# Altium PCB Fri3d_2020_Time_Blaster_00.PcbDoc (part 1 of 2)
Units mm, origin at the board's own origin, x right, y up, seen from the top; angles counter-clockwise.
Board outline 163.52 x 127.05 mm, 2 copper layers (Top Layer, Bottom Layer), stack 1.571 mm thick; 69 components, 56 nets, 239 pads, 21 vias.
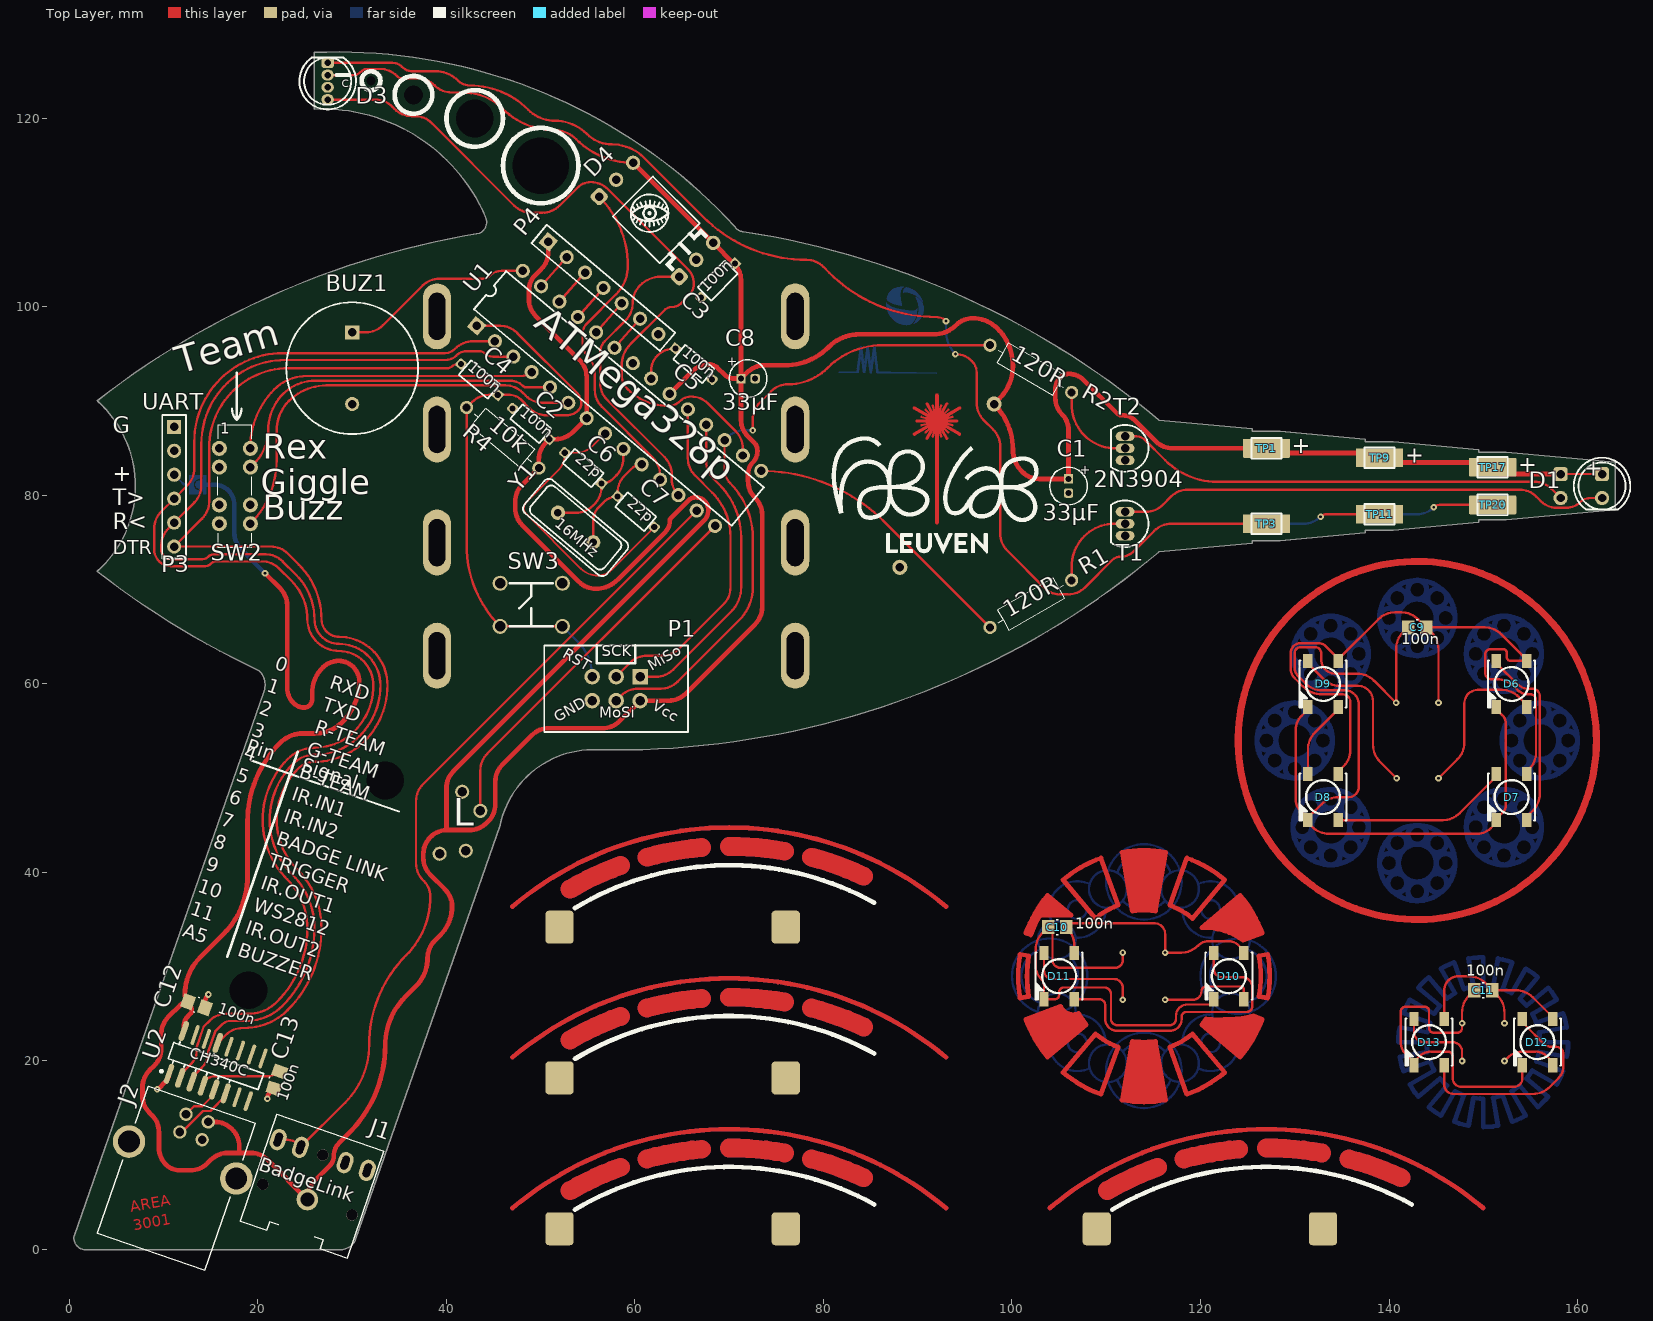
[diagram p0: Top Layer view]
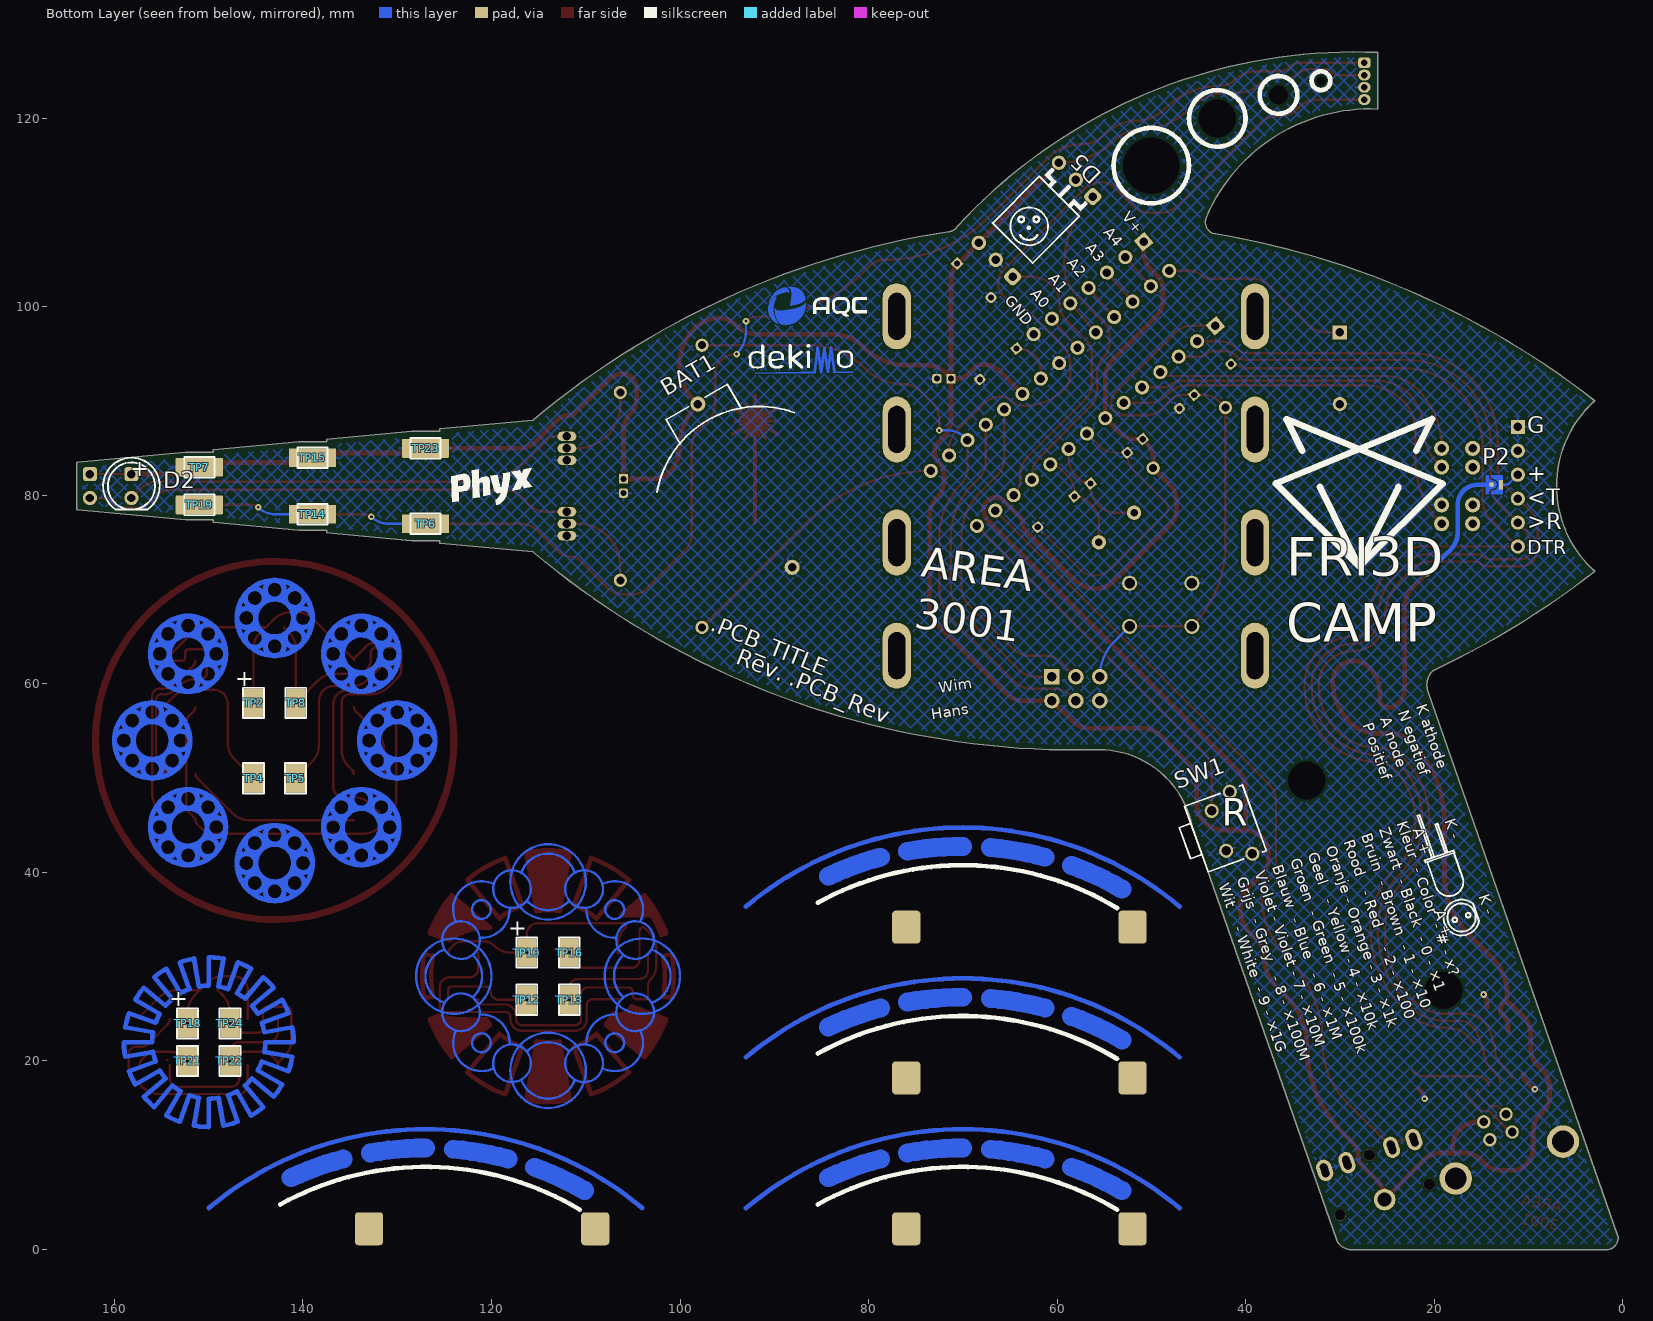
[diagram p1: Bottom Layer view, seen from below]

## Layer stack, top to bottom
Top Solder: solder mask 0.0102, Solder Resist, Dk 3.5
Top Layer: signal copper 0.0356
Dielectric1: core 1.5, FR-4, Dk 4.8
Bottom Layer: signal copper 0.0356
Bottom Solder: solder mask 0.0102, Solder Resist, Dk 3.5

## Board outline
1.5,0 cw(c1.717,1.217) 0.5,1.435 20.6,59.113 ccw(c18.659,59.911) 20.122,61.416 cw(c58,142.446) 2.955,71.943 2.947,71.952 ccw(c-5.125,81) 3,90 2.955,90.057 cw(c58,19.554) 43.513,107.819 ccw(c42.957,109.004) 44.142,109.561 ccw(c26.772,102.118) 26,121 26,127 cw(c28.469,69.899) 70.566,108.558 ccw(c71.618,109.205) 71.496,107.976 cw(c58,19.554) 115.534,88.041 115.574,87.993 125.5,87.072 125.5,86.8 128.433,86.8 137.5,85.959 137.5,85.687 140.433,85.687 149.5,84.845 149.5,84.573 152.433,84.573 164,83.5 164,78.5 152.433,77.427 149.5,77.427 149.5,77.155 140.433,76.313 137.5,76.313 137.5,76.041 128.433,75.2 125.5,75.2 125.5,74.928 115.574,74.007 115.534,73.959 cw(c58,142.446) 56.001,53.022 ccw(c55.575,42.931) 45.7,45.052 30.348,1 cw(c28.756,1.739) 29,0

## Design rules (kind name [scope] priority, off if disabled: settings)
BoardOutlineClearance [NOT OnLayer('Top Overlay') AND NOT OnLayer('Bottom Overlay') AND NOT IsText AND NOT WithinRoom('Fri3d_2020_Time_Blaster_00')] p1: gap=0.5 ignorepadtopadclearanceinfootprint=FALSE except(0: Arc-SplitContinuation Track-SplitContinuation SMDPad-SplitContinuation THPad-SplitContinuation Via-SplitContinuation Fill-SplitContinuation Poly-SplitContinuation Region-SplitContinuation Text-SplitContinuation; 0.3: SMDPad-OutlineEdge; 0.4: THPad-OutlineEdge)
Clearance [All] p1: gap=0.15 ignorepadtopadclearanceinfootprint=FALSE except(0: Arc-Hole Track-Hole SMDPad-Hole THPad-Hole Via-Hole Fill-Hole Poly-Hole Region-Hole Text-Hole; 0.25: Arc-Poly Track-Poly SMDPad-Poly THPad-Poly Via-Poly Fill-Poly; 1.1: Poly-Poly)
ComponentClearance ComponentClearance_TP [HasFootprint('TP_2x3mm')] p1: gap=0 collisioncheckmode=3 verticalgap=0 showdistances=FALSE
ComponentClearance [All] p2: gap=0.25 collisioncheckmode=3 verticalgap=0.25 showdistances=FALSE
HoleSize [All] p1: absolutevalues=TRUE maxlimit=10 minlimit=0.025 maxpercent=80.000 minpercent=20.000
PolygonConnect PolygonConnect_VIA [IsVia] p1: connectstyle=Direct reliefconductorwidth=0.254 reliefentries=4 polygonreliefangle="90 Angle" airgapwidth=0.254
PolygonConnect [All] p2: connectstyle=Relief reliefconductorwidth=0.254 reliefentries=4 polygonreliefangle="90 Angle" airgapwidth=0.254
RoomDefinition Fri3d_2020_Time_Blaster_00 [InComponentClass('Outside Board Components')] p1: confinementstyle=ConfineIn formatcopy=TRUE lockcomponents=FALSE outline 164,0 42.14,0 42.14,33 43.594,33 43.594,38 47.095,38 47.095,46.537 121.4,46.537 121.4,73 136,73 136,75.09 164,75.09
RoutingVias [All] p1: holewidth=0.3 width=0.7 viastyle="Through Hole" minholewidth=0.3 minwidth=0.2 maxholewidth=0.6 maxwidth=1.2
SilkToSolderMaskClearance SilkscreenOverComponentPads [IsPad] p1: minsilkscreentomaskgap=0.254 clearancetoexposedcopper=TRUE
SolderMaskExpansion [All] p1: expansion=0.05
Width [All] p1: maxlimit=5 minlimit=0.15 preferedwidth=0.25
27 further rules are at their usual default settings.

## Classes and differential pairs
net class POWER: G_B G_M G_S GND V_B V_M V_S VCC

## Components (designator, comment, footprint, x,y, rotation, side; value= is the part's Value field where it differs from the comment)
BAT1 "CR2032 Battery Holder" BAT_CR2032_China 94.6,83.638 r60 bottom value=CR2032
BUZ1 "14x14x7mm Piezo Buzzer Transducer 80dB" CUI_CEP-1162 30,93.5 r270 top value=CMT-1203-SMT
C1 "CAP_POL" C_4x7_1.5mm 106,81 r270 top locked value="33uF 16V"
C2 "CAP_CERAMIC" C_5.08mm 48.968,87.6 r140 top value="100nF 50V"
C3 "CAP_CERAMIC" C_5.08mm 68.8,102.8 r225 top value="100nF 50V"
C4 "CAP_CERAMIC" C_5.08mm 43.5,92.3 r140 top value="100nF 50V"
C5 "CAP_CERAMIC" C_5.08mm 66.246,93.95 r320 top value="100nF 50V"
C6 "CAP_CERAMIC" C_5.08mm 54.5,82.9 r140 top value="22pF 50V"
C7 "CAP_CERAMIC" C_5.08mm 60.1,78.27 r320 top value="22pF 50V"
C8 "CAP_POL" C_4x7_1.5mm 72,92.402 r0 top value="33uF 16V"
C9 "CAP_CERAMIC" C0805_N 143,66 r180 top value="100nF 16V"
C10 "CAP_CERAMIC" C0805_N 104.8,34.2 r180 top value="100nF 16V"
C11 "CAP_CERAMIC" C0805_N 150,27.5 r180 top value="100nF 16V"
C12 "CAP_CERAMIC" C0805_N 13.477,25.968 r341 top value="100nF 16V"
C13 "CAP_CERAMIC" C0805_N 22,18 r251 top value="100nF 16V"
D1 "5mm IR LED, 940nm, 100mA, 1.35V, 25Deg" LED_5MM_RD 162.6,81 r270 top value=TSAL6400
D2 "5mm IR LED, 940nm, 100mA, 1.35V, 25Deg" LED_5MM_RD 158.2,81 r270 bottom value=TSAL6400
D3 "WS2812 based digital RGB LED 5mm" LED_5mm_RGB 27.4,123.95 r90 top value=WS2812D-F5
D4 "IRM-3638N3F14 Infrared Receiver 38 kHz 45° 2.7-5.5V" VIS_TSOP381X_BENT 66.5,105 r45 top value=IRM-3638N3F14
D5 "IRM-3638N3F14 Infrared Receiver 38 kHz 45° 2.7-5.5V" VIS_TSOP381X_BENT 58,113.5 r45 bottom value=IRM-3638N3F14
D6 "WS2812 based digital RGB LED 5050 Black package" LED_5050_WS2812B_BLACK 153,60 r270 top value="WS218B 5050 BL"
D7 "WS2812 based digital RGB LED 5050 Black package" LED_5050_WS2812B_BLACK 153,48 r270 top value="WS218B 5050 BL"
D8 "WS2812 based digital RGB LED 5050 Black package" LED_5050_WS2812B_BLACK 133,48 r270 top value="WS218B 5050 BL"
D9 "WS2812 based digital RGB LED 5050 Black package" LED_5050_WS2812B_BLACK 133,60 r270 top value="WS218B 5050 BL"
D10 "WS2812 based digital RGB LED 5050 Black package" LED_5050_WS2812B_BLACK 123,29 r270 top value="WS218B 5050 BL"
D11 "WS2812 based digital RGB LED 5050 Black package" LED_5050_WS2812B_BLACK 105,29 r270 top value="WS218B 5050 BL"
D12 "WS2812 based digital RGB LED 5050 Black package" LED_5050_WS2812B_BLACK 155.75,22 r270 top value="WS218B 5050 BL"
D13 "WS2812 based digital RGB LED 5050 Black package" LED_5050_WS2812B_BLACK 144.25,22 r270 top value="WS218B 5050 BL"
J1 "3.5mm jack, dual switch, black, 3 contacts" CUI_SJ1-3525NG 26.878,10.028 r71 top value=SJ1-3525NG
J2 "Vertical USB B 61400416121" WE_61400416121 11.353,7.573 r341 top value=61400416121
P1 "Boxed Header 3X2" B_HDR2X3 58,59.5 r180 top
P2 "Easy to solder connection" SOLDER_SW_V_1MM 13.9,81.15 r90 bottom value="NO BOM"
P3 "Header 6" HDR1X6 11.113,87.28 r270 top
P4 "Header 7" HDR1X7 50.811,106.913 r320 top
R1 "RESISTOR" RES_10mm 102,68.5 r210 top value=120R
R2 "RESISTOR" RES_10mm 102,93.437 r150 top value=120R
R4 "RESISTOR" RES_10mm 45.97,86.114 r140 top value=10k
SW1 "Tact switch, RA, 3,85mm" TACTSW_RA_385 41.65,44.85 r250 bottom value=431256038716
SW2 "Slide switch dual pole triple throw" CK_JS203011CQN 15.9,85 r270 top locked value=JS203011CQN
SW3 "Default TH TACT" TACTSW 49,68.4 r90 top
T1 "0.2A 40V 100hfe NPN Transistor" TO-92A 112,77 r180 top locked value=2N3904
T2 "0.2A 40V 100hfe NPN Transistor" TO-92A 112,85 r180 top locked value=2N3904
TP1 "TEST_PAD" TP_2x3mm#1 127,85 r0 top value="NO BOM"
TP2 "TEST_PAD" TP_2x3mm#2 145.25,58 r90 bottom value="NO BOM"
TP3 "TEST_PAD" TP_2x3mm#1 127,77 r0 top value="NO BOM"
TP4 "TEST_PAD" TP_2x3mm#2 145.25,50 r90 bottom value="NO BOM"
TP5 "TEST_PAD" TP_2x3mm#2 140.801,50 r90 bottom value="NO BOM"
TP6 "TEST_PAD" TP_2x3mm#1 127,77 r180 bottom value="NO BOM"
TP7 "TEST_PAD" TP_2x3mm#1 151,83 r180 bottom value="NO BOM"
TP8 "TEST_PAD" TP_2x3mm#2 140.75,58 r90 bottom value="NO BOM"
TP9 "TEST_PAD" TP_2x3mm#1 139,84 r0 top value="NO BOM"
TP10 "TEST_PAD" TP_2x3mm#2 116.25,31.5 r90 bottom value="NO BOM"
TP11 "TEST_PAD" TP_2x3mm#1 139,78 r180 top value="NO BOM"
TP12 "TEST_PAD" TP_2x3mm#2 116.25,26.5 r90 bottom value="NO BOM"
TP13 "TEST_PAD" TP_2x3mm#2 111.75,26.5 r90 bottom value="NO BOM"
TP14 "TEST_PAD" TP_2x3mm#1 139,78 r180 bottom value="NO BOM"
TP15 "TEST_PAD" TP_2x3mm#1 139,84 r180 bottom value="NO BOM"
TP16 "TEST_PAD" TP_2x3mm#2 111.75,31.5 r90 bottom value="NO BOM"
TP17 "TEST_PAD" TP_2x3mm#1 151,83 r180 top value="NO BOM"
TP18 "TEST_PAD" TP_2x3mm#2 152.25,24 r90 bottom value="NO BOM"
TP19 "TEST_PAD" TP_2x3mm#1 151,79 r0 bottom value="NO BOM"
TP20 "TEST_PAD" TP_2x3mm#1 151,79 r180 top value="NO BOM"
TP21 "TEST_PAD" TP_2x3mm#2 152.25,20 r90 bottom value="NO BOM"
TP22 "TEST_PAD" TP_2x3mm#2 147.75,20 r90 bottom value="NO BOM"
TP23 "TEST_PAD" TP_2x3mm#1 127,85 r180 bottom value="NO BOM"
TP24 "TEST_PAD" TP_2x3mm#2 147.75,24 r90 bottom value="NO BOM"
U1 "8-bit MCU" DIP_N_28 58.3,90.3 r320 top value="ATMega 328p"
U2 "USB to full UART with internal crystal" SOIC_N_16 15.55,19.454 r71 top value=CH340C
Y1 "16MHz 18pF HC49US" HC49US 53.7,76.6 r140 top value=16MHz

## Footprints (in the part's own frame and the unit in brackets; to place one, negate y for a bottom-side part, rotate by r counter-clockwise, add the part's x,y. Pads: shape width x height; smd on the part's side, far side on the other; paste and mask are expansions set on the pad)
B_HDR2X3 [mm] "Boxed Header 2x3 pins"
  rect 1.65x1.65 hole 1: 1(-2.54,-1.27)
  round 1.65 hole 1: 2(-2.54,1.27) 3(0,-1.27) 4(0,1.27) 5(2.54,-1.27) 6(2.54,1.27)
  silkscreen extent -7.62,-4.6 7.62,4.6, body extent -7.43,-4.6 7.4,4.67, height 9.39
BAT_CR2032_China [mm]
  round 1.6 hole 0.9: 1(7,0) 2(-13,0)
  silkscreen extent 1.07,-8.43 7.25,8.43, body extent -17,-11 7.25,11, height 9.2
C0805_N [mm] "Low density"
  rect 1.3x1.5 smd: 1(-0.95,0) 2(0.95,0)
  silkscreen extent -0.1,-0.8 0.1,0.8, body extent -1,-0.62 1,0.63, height 0.78
C_4x7_1.5mm [mm] "Capacitor, Electrolytic, Radial; Body 4 x 7mm; 1.5mm pitch"
  rect 1x1 hole 0.65: 1(-0.75,0)
  rrect50% 1x1 hole 0.65: 2(0.75,0)
  silkscreen extent -2,-2 2,2, body extent -2,-2 2,2, height 7.1
C_5.08mm [mm] "Ceramic Cap 5.08mm pitch"
  rect 1x1 hole 0.65: 1(-2.54,0)
  rrect50% 1x1 hole 0.65: 2(2.54,0)
  silkscreen extent -2,-1 2,1, body extent -2.79,-1.1 2.79,1.11, height 6.2
CK_JS203011CQN [mm] "C&K JS series slide switches"
  round 1.6 hole 0.9: 1(0,0) 2(2,0) 3(6,0) 4(8,0) 5(0,3.3) 6(2,3.3) 7(6,3.3) 8(8,3.3)
  silkscreen extent -2.5,-0.15 10.5,3.45, body extent -2.5,0 10.5,3.6, height 5.22
CUI_CEP-1162 [mm] "14x14x7mm piezo buzzer 7.6mm pitch"
  rect 1.5x1.5 hole 0.9: 1(-3.8,0)
  round 1.5 hole 0.9: 2(3.8,0)
  silkscreen extent -7,-7 7,7, body extent -7,-7 7,7, height 7.1
CUI_SJ1-3525NG [mm] "CUI SJ1-3525NG Audio Jack 3.5mm"
  round 1.2 hole 1.2 unplated: 0(-5,5) 0(-5,-5) 0(0,0)
  round 2.3 hole 1.5: 1(-5,0)
  oval 2.3x1.6 hole 0.8 slot 1.5 at 0 deg: 2(0,-5) 3(0,5) 4(0,-2.5) 5(0,2.5)
  silkscreen extent -9.5,-6 2.5,6, body extent -11.55,-6 2.5,6, height 5.54
DIP_N_28 [mm] "300mil body width"
  rect 1.5x1.5 hole 0.9: 1(-16.51,-3.81)
  round 1.5 hole 0.9: 2(-13.97,-3.81) 3(-11.43,-3.81) 4(-8.89,-3.81) 5(-6.35,-3.81) 6(-3.81,-3.81) 7(-1.27,-3.81) 8(1.27,-3.81) 9(3.81,-3.81) 10(6.35,-3.81) 11(8.89,-3.81) 12(11.43,-3.81) 13(13.97,-3.81) 14(16.51,-3.81) 15(16.51,3.81) 16(13.97,3.81) 17(11.43,3.81) 18(8.89,3.81) 19(6.35,3.81) 20(3.81,3.81) 21(1.27,3.81) 22(-1.27,3.81) 23(-3.81,3.81) 24(-6.35,3.81) 25(-8.89,3.81) 26(-11.43,3.81) 27(-13.97,3.81) 28(-16.51,3.81)
  silkscreen extent -17.85,-2.65 17.85,2.65, body extent -17.97,-3.97 17.97,3.9, height 4.65
HC49US [mm]
  round 1.524 hole 0.8: 1(2.44,0) 2(-2.44,0)
  silkscreen extent -5.71,-2.29 5.71,2.29, body extent -5.39,-2.3 5.59,2.19, height 3.6
HDR1X6 [mm] "Connector; Header; 6 Position"
  rect 1.5x1.5 hole 0.9: 1(0,0)
  round 1.5 hole 0.9: 2(2.54,0) 3(5.08,0) 4(7.62,0) 5(10.16,0) 6(12.7,0)
  silkscreen extent -1.27,-1.27 13.97,1.27, body extent -1.27,-1.23 13.97,1.27, height 8.2
HDR1X7 [mm] "Connector; Header; 7 Position"
  rect 1.5x1.5 hole 0.9: 1(0,0)
  round 1.5 hole 0.9: 2(2.54,0) 3(5.08,0) 4(7.62,0) 5(10.16,0) 6(12.7,0) 7(15.24,0)
  silkscreen extent -1.27,-1.27 16.51,1.27, body extent -1.27,-1.14 16.51,1.14, height 8.13
LED_5MM_RD [mil] "5mm LED RED"
  rrect50% 60x60 hole 35.43: 1(-50,0)
  round 60 hole 35.43: 2(50,0)
  silkscreen extent -118,-118 98,118, body extent -117,-98 96,485, height 118
LED_5mm_RGB [mm] "5mm LED RGB"
  rrect50% 1.15x1.3 hole 0.7: 1(1.95,0)
  oval 1.15x1.3 hole 0.7: 2(0.65,0) 3(-0.65,0) 4(-1.95,0)
  silkscreen extent -3,-3 2.5,3, body extent -2.85,-1.4 2.55,11.3, height 3.4
LED_5050_WS2812B_BLACK [mm] "5050 RGB LED WS2812B BLACK"
  rect 1.5x1 smd: 1(-2.45,1.6) 2(-2.45,-1.6) 3(2.45,-1.6) 4(2.45,1.6)
  silkscreen extent -2.5,-2.5 2.5,2.5, body extent -2.7,-2.5 2.7,2.5, height 1.6
RES_10mm [mm] "TH 10mm pitch resistor"
  round 1.4 hole 0.85: 1(-5,0) 2(5,0)
  silkscreen extent -3.96,-1.25 3.96,1.25, body extent -5.31,-1.3 5.19,1.3, height 2.67
SOIC_N_16 [mm] "150 mil body width"
  oval 2.2x0.6 smd: 1(-2.4,4.445) 2(-2.4,3.175) 3(-2.4,1.905) 4(-2.4,0.635) 5(-2.4,-0.635) 6(-2.4,-1.905) 13(2.4,0.635) 16(2.4,4.445)
  oval 2.2x0.4 smd: 7(-2.4,-3.175) 8(-2.4,-4.445) 9(2.4,-4.445) 10(2.4,-3.175) 11(2.4,-1.905) 12(2.4,-0.635) 14(2.4,1.905) 15(2.4,3.175)
  silkscreen extent -2.52,-5.04 0.9,5.42, body extent -3,-5 3,5, height 1.75
SOLDER_SW_V_1MM [mm] "1 mm Custom solder switch"
  round 0.5 smd mask+0.05: 1(0,0)
  rect 1x0.4 smd mask+0.05: 2(0,-1)
  Top Layer region: -1.01,0.275 -1.01,0.6 1,0.6 1,0.275 0.767,0.269 0.56,0.162 0.42,-0.025 0.42,-0.025 0.408,-0.239 0.294,-0.42 0.107,-0.524 -0.107,-0.524 -0.294,-0.42 -0.408,-0.239 -0.42,-0.025 -0.42,-0.025 -0.563,0.163 -0.773,0.271 -1.01,0.275
  Top Layer region: -1,-1.2 -1,-0.7 -1,0.074 -0.831,0.043 -0.69,-0.054 -0.6,-0.2 -0.6,-0.2 -0.497,-0.47 -0.28,-0.661 0,-0.73 0.28,-0.661 0.497,-0.47 0.6,-0.2 0.6,-0.2 0.69,-0.054 0.832,0.043 1,0.074 1,0.074 1,-0.7 1,-1.2
TACTSW [mm]
  round 1.6 hole 1.1: 1(-2.286,3.302) 1(-2.286,-3.302) 2(2.286,3.302) 2(2.286,-3.302)
  silkscreen extent -2.29,-2.29 2.29,2.29, body extent -3.1,-3.95 3.1,3.95, height 4.31
TACTSW_RA_385 [mm] "DEFAULT RA TACT SWITCH 3.85mm"
  round 1.5 hole 1: 1(-2.25,-1.25) 2(2.25,-1.25) MH1(-3.5,1.25) MH2(3.5,1.25)
  silkscreen extent -3.7,-5.1 3.7,2.75, body extent -4.2,-5.1 4.2,2.75, height 7.21
TO-92A [mm] "TO, Flat Index; 3 In-Line, Axial Leads; Body Dia. 4.5mm; Leads 0.51 x 0.48 mm (max)"
  oval 2x1 hole 0.9: 1(0,-1.27) 2(0,0) 3(0,1.27)
  silkscreen extent -2.48,-2.48 1.5,2.48, body extent -2.61,-2.61 1.59,2.61, height 10
TP_2x3mm#1 [mm] "2 x 3 mm pad"
  rrect10% 5x2 smd mask+0.03: 1(0,0)
  silkscreen extent -1.6,-1.1 1.6,1.1
TP_2x3mm#2 [mm] "2 x 3 mm pad"
  rrect10% 3x2 smd mask+0.03: 1(0,0)
  silkscreen extent -1.6,-1.1 1.6,1.1
VIS_TSOP381X_BENT [mil] "Vischay IR Receiver bent"
  rrect50% 60x60 hole 35.43: 1(-100,0)
  round 60 hole 35.43: 2(0,0) 3(100,0)
  silkscreen extent -118,39 118,374, body extent -122,-51 122,374, height 244
WE_61400416121 [mm] "USB 2.0 Type B Horizontal"
  round 1.42 hole 0.92: 1(1.25,6.74) 2(-1.25,6.74) 3(-1.25,4.74) 4(1.25,4.74)
  round 3.45 hole 2.3: MH1(-6.02,2.03) MH2(6.02,2.03)
  silkscreen extent -6.02,-8.25 6.02,8.25, body extent -7.48,-8.25 7.48,8.25, height 11.15

## Part data
BAT1: library part "BAT 20mm Coin Cell Holder Generic", "=Description", Supplier 1=China
BUZ1: library part "BUZ CUI CEP-1162", "Crystal Oscillator", Supplier Part Number 1=102-1134-ND, Supplier 1=Digi-key, Supplier 2=LCSC, Supplier Part Number 2=C360604
C1 C8: library part "CAP 13uF 16V 4x7", "Capacitor electrolyt", Supplier Part Number 1=C3314, Supplier 1=LCSC
C2 C3 C4 C5: library part "CAP 100nF 50V 5.08mm", "Capacitor Ceramic", Supplier Part Number 1=C84772, Supplier 1=LCSC
C6 C7: library part "CAP 22pF 50V 5.08mm", "Capacitor Ceramic", Supplier Part Number 1=C263190, Supplier 1=LCSC
C9 C10 C11 C12 C13: library part "CAP # 100nF 16V 0805", "Capacitor Ceramic"
D1 D2: library part "LED IR 5mm TSAL6400", "=Description", Supplier Part Number 1=3152868, Supplier 1=Farnell
D3: library part "LED RGB WS2812 5mm", "=Description", Supplier Part Number 1=C190565, Supplier 1=LCSC
D4 D5: library part "PHO IR Rx RA", "=Description", Supplier Part Number 1=C264262, Supplier 1=LCSC
D6 D7 D8 D9 D10 D11 D12 D13: library part "LED # RGB WS2812B-5050 BL", "=Description", Supplier Part Number 1="WS2812B Black 5050", Supplier 1=Aliexpress
J1: library part "AUDIO JACK 3.5 3c SJ1-3525NG", "=Description", Supplier Part Number 1=CP1-3525NG-ND, Supplier 1=Digi-key
J2: library part "USB B VERTICAL 61400416121", Supplier Part Number 1=1642035, Supplier 1=Farnell, Supplier 2=LCSC, Supplier Part Number 2=C46392
P1: library part "Pin Header 2.54mm dual row 6way Boxed"
P2: library part "SOLDER SW V 1MM"
P3: library part "Pin Header 2.54mm 6way"
P4: library part "Pin Header 2.54mm 7way"
R1 R2: library part "RES 120R 1/4W", Supplier Part Number 1=C58684, Supplier 1=LCSC
R4: library part "RES 10k 1/4W", Supplier Part Number 1=C58673, Supplier 1=LCSC
SW1: library part "SW TACT RA 3,85mm 431256038716", Supplier Part Number 1=431256038716, Supplier 1=Wurth, Supplier 2=Mouser, Supplier Part Number 2=710-431256038716
SW2: library part "SW Slide DP3T C&K JS203011CQN", Supplier Part Number 1=401-2004-ND, Supplier 1=Digi-key, Supplier 2=LCSC, Supplier Part Number 2=K3-2336D-F1
SW3: library part "SW TACT"
T1 T2: library part "2N3904 NPN 0.2A", Supplier Part Number 1=1700648, Supplier 1=Farnell, Supplier 2=LCSC, Supplier Part Number 2=C118538
TP1 TP2 TP3 TP4 TP5 TP6 TP7 TP8 TP9 TP10 TP11 TP12 TP13 TP14 TP15 TP16 TP17 TP18 TP19 TP20 TP21 TP22 TP23 TP24: library part "TP # 2x3mm", Supplier Part Number 1="FOOTPRINT ONLY", Supplier 1=XXX
U1: library part "AVR ATMega 328p MCU PDIP", Supplier Part Number 1=C33901, Supplier 1=LCSC, Supplier 2=Mouser, Supplier Part Number 2=556-ATMEGA328P-PU
U2: library part "CH340C # UCB UART", "=Description", Supplier Part Number 1=C84681, Supplier 1=LCSC
Y1: library part "XTAL 16Mhz HC49US", "Crystal Oscillator", Supplier Part Number 1=2508458, Supplier 1=Farnell

## Free pads (board coordinates)
  round 0 hole 4 unplated mask+0.05: 1(19,27.5) 1(33.5,49.75) 1(43,120)
  round 0 hole 1 unplated mask+0.05: 1(32,124)
  round 0 hole 2 unplated mask+0.05: 1(36.5,122.5)
  round 0 hole 6 unplated mask+0.05: 1(50,115)
  oval 3x7 hole 1.8 slot 5 at 90 deg: 3(39,63) 3(39,75) 3(39,87) 3(39,99) 3(77,63) 3(77,75) 3(77,87) 3(77,99)
  rrect25% 3x3.5 smd: 5(52,2.2) 5(52,18.2) 5(52,34.2) 5(76,2.2) 5(76,18.2) 5(76,34.2) 5(109,2.2) 5(133,2.2)
  rrect25% 3x3.5 smd far side: 5(52,2.2) 5(52,18.2) 5(52,34.2) 5(76,2.2) 5(76,18.2) 5(76,34.2) 5(109,2.2) 5(133,2.2)

## Via types
v1: diameter 0.7, hole 0.3, Top Layer to Bottom Layer, 21 vias

## Nets (pads, with @x,y where several pads share a name; then routed paths per layer and width w, separated by ;. In a path a pad name is that pad's centre, name@x,y a point inside that pad or via, vN(x,y) a via of type N, cw(c..) or ccw(c..) an arc to the next point about the centre after c; other vN are vias at no path point)
A0: P4.6 U1.23 | length 4.1
  Top Layer w0.25: U1.23@57.83,95.668 P4.6@60.54,98.75
A1: P4.5 U1.24 | length 4.1
  Top Layer w0.25: U1.24@55.885,97.3 P4.5@58.594,100.383
A2: P4.4 U1.25 | length 4.1
  Top Layer w0.25: U1.25@53.939,98.933 P4.4@56.648,102.015
A3: P4.3 U1.26 | length 4.1
  Top Layer w0.25: U1.26@51.993,100.566 P4.3@54.703,103.648
A4: P4.2 U1.27 | length 4.1
  Top Layer w0.25: U1.27@50.047,102.198 P4.2@52.757,105.281
AREF: C5.1 U1.21 | length 4.7
  Top Layer w0.25: U1.21@61.722,92.402 61.722,93.239 cw(c63.984,93.239) 62.384,94.839 cw(c64.181,93.043) 64.181,95.583 C5.1@64.3,95.583
B_IN: D3.1 TP3.1 | length 133
  Top Layer w0.25: D3.1@27.4,125.9 34.284,125.9 cw(c34.284,124.534) 35.25,125.5 ccw(c36.457,126.707) 36.457,125 38.836,125 cw(c38.836,121.586) 41.25,124 ccw(c42.457,125.207) 42.457,123.5 cw(c42.457,114.701) 48.679,120.923 ccw(c51.51,123.755) 51.51,119.75 cw(c51.51,114.947) 54.907,118.343 ccw(c57.546,120.982) 57.546,117.25 cw(c57.546,112.412) 60.967,115.833 67.276,109.524 ccw(c78.198,120.446) 78.198,105 cw(c78.198,102.46) 79.994,104.256 80.623,103.627 ccw(c91.955,114.958) 91.955,98.933 cw(c91.955,97.455) v1(93,98.5) ; v1(94,95) cw(c94,92.586) 95.707,94.293 95.75,94.25 cw(c94.543,93.043) 96.25,93.043 96.25,89.802 ccw(c98.79,89.802) 96.994,88.006 98.006,86.994 cw(c96.21,85.198) 98.75,85.198 98.75,75.952 ccw(c101.29,75.952) 99.494,74.156 103.512,70.138 ccw(c105.052,71.678) 105.052,69.5 105.948,69.5 ccw(c105.948,72.04) 107.744,70.244 110.646,73.146 ; 110.647,73.147 cw(c111.5,72.293) 111.5,73.5 ccw(c111.5,75.552) 112.951,74.101 115.106,76.256 cw(c116.902,74.46) 116.902,77 TP3.1@127,77
  Bottom Layer w0.25: v1(93,98.5) 93,97.414 ccw(c96.414,97.414) v1(94,95)
Bi: D6.4 TP4.1 | length 17.2
  Top Layer w0.25: v1(145.25,50) 147.256,52.006 ccw(c145.46,53.802) 148,53.802 148,57.97 cw(c149.4,57.97) 149.4,59.37 151.978,59.37 cw(c151.978,56.83) 153.774,58.626 154.423,57.977 cw(c153.996,57.55) D6.4@154.6,57.55
BLUE_TEAM: SW2.8 U1.6 | length 44.8
  Top Layer w0.25: SW2.8@19.2,77 ccw(c12.479,83.721) 21.984,83.721 21.984,86.879 cw(c26.44,86.879) 23.289,90.03 cw(c27.261,86.058) 27.261,91.675 46.273,91.675 cw(c46.273,89.135) 48.069,90.931 48.426,90.574 ccw(c50.222,92.37) 50.222,89.83 U1.6@52.932,89.83
Bo: D9.2 TP5.1 | length 18.1
  Top Layer w0.25: D9.2@131.4,62.45 ccw(c132.004,62.45) 131.577,62.023 133.164,60.436 ccw(c134.7,61.973) 134.7,59.8 136.7,59.8 cw(c136.7,58.2) 138.3,58.2 138.3,53.553 ccw(c140.84,53.553) 139.044,51.757 v1(140.801,50)
BUZZER: BUZ1.1 U1.28 | length 20.5
  Top Layer w0.25: BUZ1.1@30,97.3 31.448,97.3 ccw(c31.448,99.84) 33.244,98.044 37.456,102.256 cw(c39.252,100.46) 39.252,103 43.876,103 ccw(c43.876,104.024) 44.6,103.3 cw(c45.882,102.018) 45.882,103.831 U1.28@48.102,103.831
D\T\R\: C4.2 P3.6 U2.13 | length 126.2
  Top Layer w0.25: U2.13@15.748,21.913 16.591,22.756 cw(c18.387,20.96) 18.387,23.5 18.564,23.5 ccw(c18.564,29.985) 23.149,25.399 ccw(c14.457,34.092) 26.75,34.092 ccw(c17.919,34.092) 24.163,40.337 cw(c29.386,45.559) 22,45.559 cw(c29.703,45.559) 24.256,51.006 cw(c26.052,49.21) 26.052,51.75 ccw(c26.052,59.16) 31.292,53.92 ccw(c25.356,59.855) 33.75,59.855 ccw(c28.605,59.855) 28.605,65 cw(c28.605,66.855) 26.75,66.855 ccw(c18.555,66.855) 24.35,72.65 23.164,73.836 ccw(c21.368,72.04) 21.368,74.58 P3.6@11.113,74.58 14.081,77.548 ccw(c12.285,79.344) 14.825,79.344 14.825,85.065 cw(c23.26,85.065) 23.26,93.5 40.117,93.5 ccw(c40.117,94.183) 40.6,93.7 cw(c41.162,93.138) 41.161,93.933 C4.2@41.554,93.933
G_B: C9.2 D6.3 D7.3 D8.3 D9.3 TP8.1 | length 95.5
  Top Layer w0.25: D9.3@131.4,57.55 cw(c130.796,57.55) 131.223,57.123 130.736,56.636 ccw(c132.273,55.1) 130.1,55.1 130.1,47.744 ccw(c131.807,47.744) 130.6,46.537 131.268,45.869 cw(c130.949,45.55) D8.3@131.4,45.55 ; D8.3@131.577,45.977 ccw(c132.004,45.55) D8.3@131.4,45.55 ; D8.3@131.577,45.977 132.856,47.256 cw(c134.652,45.46) 134.652,48 135.7,48 ccw(c135.7,49.1) 136.8,49.1 136.8,57.824 ccw(c135.3,57.824) 135.3,59.324 132.929,59.324 cw(c132.929,61.864) 131.133,60.067 130.3,60.9 cw(c131.023,61.623) 130.001,61.623 130.001,63.301 cw(c130.6,63.301) 130.6,63.9 132.2,63.9 cw(c132.2,63.3) 132.8,63.3 132.8,62.6 ccw(c134.3,62.6) 134.3,61.1 136.598,61.1 cw(c136.598,58.56) 138.394,60.356 v1(140.75,58) 140.75,63.698 cw(c143.29,63.698) 141.494,65.494 C9.2@142,66 ; D6.3@151.4,57.55 ccw(c152.004,57.55) 151.577,57.123 152.046,56.654 cw(c151.193,55.8) 152.4,55.8 152.4,47.124 cw(c151.376,47.124) 152.1,46.4 151.506,45.806 ccw(c151.762,45.55) D7.3@151.4,45.55 cw(c150.796,45.55) 151.223,45.123 150.8,44.7 cw(c149.351,46.149) 149.351,44.1 133.652,44.1 cw(c133.652,46.64) 131.856,44.844 131.577,45.123 cw(c132.004,45.55) D8.3@131.4,45.55
G_M: C10.2 D10.3 D11.3 TP16.1 | length 45.4
  Top Layer w0.25: v1(111.75,31.5) 111.75,30.666 cw(c110.984,30.666) 110.984,29.9 105.1,29.9 cw(c105.1,30.7) 104.3,30.7 104.3,33.75 ccw(c103.85,33.75) C10.2@103.85,34.2 103.248,33.598 ccw(c105.044,31.802) 102.504,31.802 102.504,30.138 ccw(c104.538,30.138) 103.1,28.7 cw(c102.376,27.976) 103.4,27.976 D11.3@103.4,26.55 104.55,26.55 ccw(c104.55,27) 105,27 105,27.3 cw(c105.5,27.3) 105.5,27.8 109.8,27.8 cw(c109.8,27.1) 110.5,27.1 110.5,24.45 ccw(c111.15,24.45) 111.15,23.8 116.75,23.8 ccw(c116.75,24.45) 117.4,24.45 117.4,24.8 cw(c118.6,24.8) 118.6,26 121.1,26 ccw(c121.1,26.3) 121.4,26.3 D10.3@121.4,26.55
G_S: C11.2 D12.3 D13.3 TP24.1 | length 37.3
  Top Layer w0.25: C11.2@149.05,27.5 148.494,26.944 ccw(c150.29,25.148) 147.75,25.148 v1(147.75,24) 147.75,23.5 cw(c147.25,23.5) 147.25,23 144.75,23 cw(c144.75,23.5) 144.25,23.5 144.25,25.32 ccw(c143.82,25.32) 143.82,25.75 141.75,25.75 ccw(c141.75,25.25) 141.25,25.25 141.25,22 ccw(c143.061,22) 141.78,20.72 142.438,20.062 cw(c141.926,19.55) D13.3@142.65,19.55 cw(c143.495,19.55) 142.897,20.147 143.25,20.5 cw(c144.457,19.293) 144.457,21 146.25,21 cw(c146.25,20.5) 146.75,20.5 146.75,18.2 ccw(c147.7,18.2) 147.7,17.25 153.25,17.25 ccw(c153.25,18.15) 154.15,18.15 D12.3@154.15,19.55
GND: BAT1.2 BUZ1.2 C1.2 C2.2 C3.2 C5.2 C6.2 C7.2 C8.2 C12.2 C13.2 D3.3 D4.2 D5.2 J1.2 J1.4 J2.4 J2.MH1 J2.MH2 P1.6 P3.1 P3.2 P4.7 SW1.2 SW1.MH1 SW1.MH2 SW2.7 SW3.2 T1.3 T2.3 TP7.1 TP15.1 TP23.1 U1.8 U1.22 U2.1 | length 36.4
  Top Layer w0.2: U1.8@56.824,86.565 55.535,85.277 cw(c53.739,87.073) 53.739,84.533 C6.2@52.554,84.533 52.554,84.406 cw(c50.014,84.406) 51.81,82.61 48.483,79.283 ccw(c49.166,78.6) 48.2,78.6 ccw(c48.924,78.6) 48.412,78.088 54.256,72.244 ccw(c56.052,74.04) 56.052,71.5 ccw(c56.052,73.567) 57.514,72.106 C7.2@62.046,76.637
  Top Layer w0.5: v1@9.4,17 10.236,17.836 ccw(c9.441,18.632) U2.1@10.566,18.632 ; C12.2@14.375,25.659 14.375,26.145 cw(c15.655,26.145) v1(14.75,27.05) ; v1(21,16) cw(c21.992,16) 21.291,16.702 C13.2@21.691,17.102
  other v1: 9.3,17
GREEN_TEAM: SW2.6 U1.5 | length 37.6
  Top Layer w0.25: SW2.6@19.2,83 19.633,83.433 ccw(c16.092,86.975) 21.1,86.975 cw(c26.473,86.975) 22.674,90.774 cw(c26.057,87.39) 26.057,92.175 46.774,92.175 cw(c46.774,90.297) 48.102,91.625 ccw(c48.493,92.016) 48.493,91.463 U1.5@50.987,91.463
IR.IN1: D5.1 U1.11 | length 35.6
  Top Layer w0.25: D5.1@56.204,111.704 cw(c48.85,104.35) 59.25,104.35 cw(c55.018,104.35) 58.011,101.358 54.903,98.25 ccw(c56.025,97.128) 54.438,97.128 54.438,96.116 ccw(c56.378,96.116) 55.006,94.744 cw(c53.21,92.948) 55.75,92.948 55.75,91.202 ccw(c58.29,91.202) 56.494,89.406 61.917,83.983 cw(c60.121,82.187) 62.661,82.187 U1.11@62.661,81.667
IR.IN2: D4.1 U1.12 | length 31.2
  Top Layer w0.25: U1.12@64.607,80.034 cw(c66.313,81.741) 63.9,81.741 63.9,82.248 ccw(c61.36,82.248) 63.156,84.044 57.044,90.156 cw(c58.84,91.952) 56.3,91.952 56.3,95.154 cw(c58.007,95.154) 56.8,96.361 59.006,98.567 ccw(c57.21,100.363) 59.75,100.363 cw(c62.494,100.363) 60.554,102.304 cw(c62.727,100.131) 62.727,103.204 D4.1@64.704,103.204
IR.OUT1: R1.2 U1.15 | length 30.4
  Top Layer w0.25: U1.15@73.396,82.606 cw(c73.396,64.096) 86.485,77.185 R1.2@97.67,66
IR.OUT2: P1.4 R2.2 U1.17 | length 69.4
  Top Layer w0.25: P1.4@58,58.23 58.526,58.756 cw(c60.322,56.96) 60.322,59.5 62.731,59.5 ccw(c62.731,62.04) 64.527,60.244 71.097,66.814 ccw(c67.71,70.201) 72.5,70.201 72.5,75.534 ccw(c64.368,75.534) 70.118,81.284 cw(c71.599,82.765) 69.505,82.765 U1.17@69.505,85.872 ; v1(72.5,86.9) 72.5,88.048 cw(c75.04,88.048) 73.244,89.844 74.456,91.056 cw(c76.252,89.26) 76.252,91.8 ccw(c76.252,97.72) 80.438,93.534 cw(c86.239,87.733) 86.239,95.937 R2.2@97.67,95.937
  Bottom Layer w0.25: U1.17@69.505,85.872 69.789,86.156 cw(c71.585,84.36) 71.585,86.9 v1(72.5,86.9)
M_IN: TP6.1 TP11.1 | length 12.3
  Top Layer w0.25: v1(132.744,77.744) cw(c133.362,77.126) 133.362,78 TP11.1@139,78
  Bottom Layer w0.25: TP6.1@127,77 130.948,77 ccw(c130.948,79.54) v1(132.744,77.744)
Mi: D10.4 TP12.1 | length 10.4
  Top Layer w0.25: v1(116.25,26.5) 119.2,26.5 ccw(c119.2,27.4) 120.1,27.4 cw(c120.6,27.4) 120.6,27.9 124.3,27.9 cw(c124.3,27.6) 124.6,27.6 D10.4@124.6,26.55
MISO: P1.1 U1.18 | length 33.6
  Top Layer w0.25: P1.1@60.54,60.77 62.251,60.77 ccw(c62.251,63.31) 64.047,61.514 70.189,67.656 ccw(c67.597,70.248) 71.262,70.248 71.262,75.583 ccw(c63.414,75.583) 68.964,81.132 68.303,81.793 cw(c70.099,83.589) 67.559,83.589 U1.18@67.559,87.504
Mo: D11.2 TP13.1 | length 12.5
  Top Layer w0.25: D11.2@103.4,31.45 103.4,29.6 ccw(c104.3,29.6) 104.3,28.7 110.813,28.7 cw(c110.813,27.763) 111.75,27.763 v1(111.75,26.5)
NetC13_1: C13.1 U2.4 | length 8.8
  Top Layer w0.25: U2.4@14.168,17.392 cw(c14.837,17.392) 14.364,17.864 14.476,17.976 cw(c15.5,16.951) 15.5,18.4 21.106,18.4 ccw(c21.106,20.101) C13.1@22.309,18.898
NetD1_2: D1.2 T1.1 | length 52.2
  Top Layer w0.25: T1.1@112,78.27 114.218,78.27 ccw(c114.218,80.81) 116.014,79.014 116.878,79.878 cw(c118.674,78.082) 118.674,80.622 153.826,80.622 cw(c153.826,78.082) 155.622,79.878 156.1,79.4 ccw(c157.807,81.107) 157.807,78.693 158.835,78.693 ccw(c158.835,80.765) 159.231,78.731 ccw(c158.835,80.765) 160.3,79.3 cw(c161.338,78.262) 161.338,79.73 D1.2@162.6,79.73
NetD2_2: D2.2 T2.1 | length 48.4
  Top Layer w0.25: T2.1@112,86.27 113.207,86.27 cw(c113.207,85.007) 114.099,85.901 ; 114.1,85.9 116.27,83.73 ccw(c121.777,89.238) 121.777,81.449 155.429,81.449 cw(c155.429,78.909) 157.225,80.705 D2.2@158.2,79.73
NetD6_2: D6.2 D7.4 | length 19.9
  Top Layer w0.25: D6.2@151.4,62.45 ccw(c152.004,62.45) 151.577,62.023 153.605,59.995 ccw(c154.8,61.19) 154.8,59.5 155.2,59.5 cw(c155.2,58.7) 156,58.7 156,48.352 cw(c153.46,48.352) 155.256,46.556 154.847,46.147 ccw(c155.445,45.55) D7.4@154.6,45.55
NetD7_2: D7.2 D8.4 | length 18.8
  Top Layer w0.25: D8.4@134.6,45.55 145.698,45.55 ccw(c145.698,48.09) 147.494,46.294 151.223,50.023 ccw(c150.796,50.45) D7.2@151.4,50.45
NetD8_2: D8.2 D9.4 | length 8.3
  Top Layer w0.25: D8.2@131.4,50.45 131.4,53.048 cw(c133.94,53.048) 132.144,54.844 134.423,57.123 ccw(c133.996,57.55) D9.4@134.6,57.55
NetD10_2: D10.2 D11.4 | length 31.9
  Top Layer w0.25: D11.4@106.6,26.55 109.25,26.55 cw(c109.25,25.9) 109.9,25.9 109.9,24.45 ccw(c111.15,24.45) 111.15,23.2 116.75,23.2 ccw(c116.75,24.45) 118,24.45 118,24.7 cw(c118.5,24.7) 118.5,25.2 124.9,25.2 ccw(c124.9,25.8) 125.5,25.8 125.5,27.8 ccw(c124.4,27.8) 124.4,28.9 122.3,28.9 cw(c122.3,29.8) 121.4,29.8 D10.2@121.4,31.45
NetD12_2: D12.2 D13.4 | length 24.2
  Top Layer w0.25: D13.4@145.85,19.55 145.85,17.5 ccw(c146.85,17.5) 146.85,16.5 155.248,16.5 ccw(c155.248,19.04) 157.044,17.244 158,18.2 ccw(c156.793,19.407) 158.5,19.407 158.5,20.75 ccw(c157.75,20.75) 157.75,21.5 157.25,21.5 cw(c157.25,22.707) 156.396,21.854 154.397,23.853 cw(c154.995,24.45) D12.2@154.15,24.45
NetR1_1: R1.1 T1.2 | length 9.7
  Top Layer w0.25: R1.1@106.33,71 106.33,72.457 cw(c110.873,72.457) 110.873,77 T1.2@112,77
NetR2_1: R2.1 T2.2 | length 9.6
  Top Layer w0.25: R2.1@106.33,90.937 106.33,89.648 ccw(c110.979,89.648) 110.979,85 T2.2@112,85
OWI: J1.3 J1.5 U1.13 | length 87
  Top Layer w0.25: J1.3@22.4,11.655 22.898,11.655 cw(c22.898,9.115) J1.5@24.638,10.966 ; J1.5@24.514,10.842 J1.5@24.638,10.966 ; U1.13@66.553,78.402 37.519,49.368 ccw(c39.315,47.572) 36.775,47.572 36.775,40.977 ccw(c39.315,40.977) 37.519,39.181 37.612,39.088 cw(c35.952,37.427) 38.3,37.427 cw(c29.509,37.427) 35.725,31.211 ccw(c45.202,21.735) 31.8,21.735 cw(c23.091,21.735) 29.249,15.577 J1.5@24.638,10.966
R\S\T\: C4.1 P1.5 R4.2 SW3.1 U1.1 | length 65.9
  Top Layer w0.25: U1.1@43.204,97.994 45.704,97.994 cw(c45.704,95.454) 47.5,97.25 53.805,90.945 cw(c52.608,89.749) 54.3,89.749 cw(c53.276,89.749) 54,89.025 cw(c52.733,90.292) 52.733,88.5 50.627,88.5 cw(c50.627,91.04) 48.831,89.244 47.9,90.175 ccw(c46.711,88.986) 46.711,90.667 C4.1@45.446,90.667 44.531,90.667 ccw(c44.531,88.127) 42.735,89.923 R4.2@42.14,89.328 42.14,74.705 ccw(c54.289,74.705) SW3.1@45.698,66.114 SW3.1@52.302,66.114
  Bottom Layer w0.25: SW3.1@52.302,66.114 53.914,64.502 cw(c50.183,60.77) P1.5@55.46,60.77
RED_TEAM: SW2.5 U1.4 | length 34.7
  Top Layer w0.25: SW2.5@19.2,85 19.2,85.115 cw(c27.886,85.115) 21.744,91.256 cw(c25.169,87.832) 25.169,92.675 48.025,92.675 ccw(c48.025,94.112) U1.4@49.041,93.096
RXD: P3.4 U1.2 U2.2 | length 139.2
  Top Layer w0.25: U2.2@11.767,18.219 cw(c12.565,18.219) 12.001,18.783 12.968,19.75 ccw(c11.682,21.035) 13.5,21.035 13.5,21.5 14.233,23.627 14.917,24.312 cw(c16.578,22.652) 16.578,25 18.978,25 ccw(c18.978,29.278) 22.003,26.253 ccw(c14.164,34.092) 25.25,34.092 ccw(c17.919,34.092) 23.103,39.276 cw(c29.386,45.559) 20.5,45.559 cw(c29.703,45.559) 23.195,52.067 cw(c26.052,49.21) 26.052,53.25 ccw(c26.052,59.16) 30.231,54.981 ccw(c25.356,59.855) 32.25,59.855 ccw(c28.605,59.855) 28.605,63.5 cw(c28.605,66.855) 25.25,66.855 ccw(c19.469,66.855) 23.557,70.943 22.244,72.256 ccw(c20.448,70.46) 20.448,73 15.604,73 ccw(c15.604,72.146) 15,72.75 cw(c14.396,73.354) 14.396,72.5 10.75,72.5 cw(c10.75,74.25) 9,74.25 9,76.494 cw(c11.54,76.494) 9.744,78.291 P3.4@11.113,79.66 12.506,81.053 ccw(c10.71,82.849) 13.25,82.849 13.25,85.705 cw(c22.645,85.705) 22.645,95.1 39.822,95.1 ccw(c39.822,96.616) 40.894,95.544 cw(c42.867,93.571) 42.867,96.361 U1.2@45.149,96.361
S_IN: TP14.1 TP20.1 | length 12.3
  Top Layer w0.25: v1(144.744,78.744) cw(c145.362,78.126) 145.362,79 TP20.1@151,79
  Bottom Layer w0.25: TP14.1@139,78 142.948,78 ccw(c142.948,80.54) v1(144.744,78.744)
S_OUT: TP19.1
SCK: P1.3 U1.19 | length 36.7
  Top Layer w0.25: P1.3@58,60.77 59.486,62.256 cw(c61.282,60.46) 61.282,63 62.889,63 ccw(c62.889,65.54) 64.685,63.744 69.393,68.452 ccw(c67.597,70.248) 70.137,70.248 70.137,75.641 ccw(c63.555,75.641) 68.209,80.296 66.357,82.148 cw(c68.153,83.944) 65.613,83.944 U1.19@65.613,89.137
Si: D12.4 TP21.1 | length 6.1
  Top Layer w0.25: v1(152.25,20) 152.614,20.364 cw(c154.15,18.827) 154.15,21 155.543,21 cw(c155.543,19.293) 156.75,20.5 157.103,20.147 cw(c156.505,19.55) D12.4@157.35,19.55
So: D13.2 TP22.1 | length 8.6
  Top Layer w0.25: D13.2@142.65,24.45 142.65,23.1 ccw(c143.75,23.1) 143.75,22 146.75,22 cw(c146.75,21) 147.75,21 v1(147.75,20)
TRIGGER: SW1.1 U1.14 | length 40.4
  Top Layer w0.25: SW1.1@43.594,46.537 43.594,50.813 cw(c46.134,50.813) 44.338,52.609 U1.14@68.498,76.769
TXD: P3.5 U1.3 U2.3 | length 139.7
  Top Layer w0.25: U2.3@12.968,17.805 cw(c13.963,17.805) 13.259,18.509 14.008,19.258 ccw(c12.266,21) 14.73,21 15.462,23.127 16.256,23.921 cw(c17.05,23.127) 17.05,24.25 18.771,24.25 ccw(c18.771,29.632) 22.576,25.826 ccw(c14.311,34.092) 26,34.092 ccw(c17.919,34.092) 23.633,39.806 cw(c29.386,45.559) 21.25,45.559 cw(c29.703,45.559) 23.726,51.536 cw(c26.052,49.21) 26.052,52.5 ccw(c26.052,59.16) 30.761,54.451 ccw(c25.356,59.855) 33,59.855 ccw(c28.605,59.855) 28.605,64.25 cw(c28.605,66.855) 26,66.855 ccw(c19.303,66.855) 24.038,71.591 22.623,73.006 ccw(c20.827,71.21) 20.827,73.75 15.333,73.75 ccw(c15.333,72.896) 14.73,73.5 cw(c14.126,74.104) 14.126,73.25 10.75,73.25 cw(c10.75,74.25) 9.75,74.25 9.75,74.704 cw(c12.29,74.704) 10.494,76.501 P3.5@11.113,77.12 13.256,79.263 ccw(c11.46,81.059) 14,81.059 14,85.505 cw(c22.87,85.505) 22.87,94.375 39.939,94.375 ccw(c39.939,95.911) 41.025,94.825 cw(c42.172,93.678) 42.172,95.3 43.567,95.3 cw(c43.567,94.617) 44.05,95.1 ccw(c44.947,95.997) 44.947,94.728 U1.3@47.095,94.728
USB.D_n: J2.2 U2.5 | length 4.4
  Top Layer w0.25: J2.2@12.366,14.353 13.213,15.2 14.1,15.2 15.369,16.469 U2.5@15.369,16.978
USB.D_p: J2.3 U2.6 | length 6.7
  Top Layer w0.25: J2.3@11.715,12.462 11.939,12.462 14.177,14.7 14.962,14.7 16.57,16.308 U2.6@16.57,16.565
V_B: C9.1 D6.1 D7.1 D8.1 D9.1 TP2.1 | length 78.9
  Top Layer w0.25: D9.1@134.533,62.767 cw(c134.327,62.562) 134.618,62.562 cw(c134.962,62.45) 134.706,62.706 138.856,66.856 cw(c140.652,65.06) 140.652,67.6 141.298,67.6 cw(c141.298,65.06) 143.094,66.856 C9.1@143.95,66 C9.1@144,66 ; D9.1@134.532,62.768 133.313,63.987 ccw(c132.5,63.173) 132.5,64.324 130.6,64.324 ccw(c130.6,63.301) 129.577,63.301 129.577,61.623 ccw(c131.023,61.623) 130.001,60.601 130.833,59.768 ccw(c132.929,61.864) 132.929,58.9 135.1,58.9 cw(c135.1,58.1) 135.9,58.1 135.9,53 cw(c133.486,53) 135.193,51.293 134.777,50.877 ccw(c135.204,50.45) D8.1@134.6,50.45 ; v1(145.25,58) 145.25,63.698 ccw(c142.71,63.698) 144.506,65.494 C9.1@144,66 ; D7.1@154.6,50.45 cw(c155.204,50.45) 154.777,50.877 154.856,50.956 ccw(c153.06,52.752) 155.6,52.752 155.6,58.3 ccw(c155,58.3) 155,58.9 154.739,58.9 cw(c154.739,60.439) 153.651,59.351 153.246,59.756 ccw(c151.449,57.96) 151.449,60.5 150.9,60.5 cw(c150.9,61.2) 150.2,61.2 150.2,63.1 cw(c150.8,63.1) 150.8,63.7 152.1,63.7 cw(c152.1,63.3) 152.5,63.3 152.5,62.85 ccw(c152.9,62.85) 152.9,62.45 D6.1@154.6,62.45 ccw(c154.238,62.45) 154.494,62.706 151.944,65.256 ccw(c150.148,63.46) 150.148,66 C9.1@144,66
V_M: C10.1 D10.1 D11.1 TP10.1 | length 25.7
  Top Layer w0.25: D11.1@106.6,31.45 106.6,32.298 ccw(c104.06,32.298) 105.856,34.094 C10.1@105.75,34.2 105.75,34.479 cw(c105.921,34.479) 105.8,34.6 115.176,34.6 cw(c115.176,33.576) 115.9,34.3 cw(c115.055,33.455) 116.25,33.455 v1(116.25,31.5) 117.948,31.5 ccw(c117.948,34.04) 119.744,32.244 cw(c120.845,31.143) 120.845,32.7 123.034,32.7 cw(c123.034,31.334) 124,32.3 124.423,31.877 cw(c123.996,31.45) D10.1@124.6,31.45
V_S: C11.1 D12.1 D13.1 TP18.1 | length 21.1
  Top Layer w0.25: D13.1@145.85,24.45 145.85,27.46 cw(c147.39,27.46) 147.39,29 148.448,29 cw(c148.448,26.46) 150.244,28.256 150.915,27.585 cw(c150.829,27.5) C11.1@150.95,27.5 ; v1(152.25,24) 152.25,25.148 ccw(c149.71,25.148) 151.506,26.944 C11.1@150.95,27.5 ; D12.1@157.35,24.45 ccw(c156.867,24.45) 157.209,24.791 155.244,26.756 ccw(c153.448,24.96) 153.448,27.5 C11.1@150.95,27.5